# Altium PCB xialeste.PcbDoc (part 4 of 10) (continued)
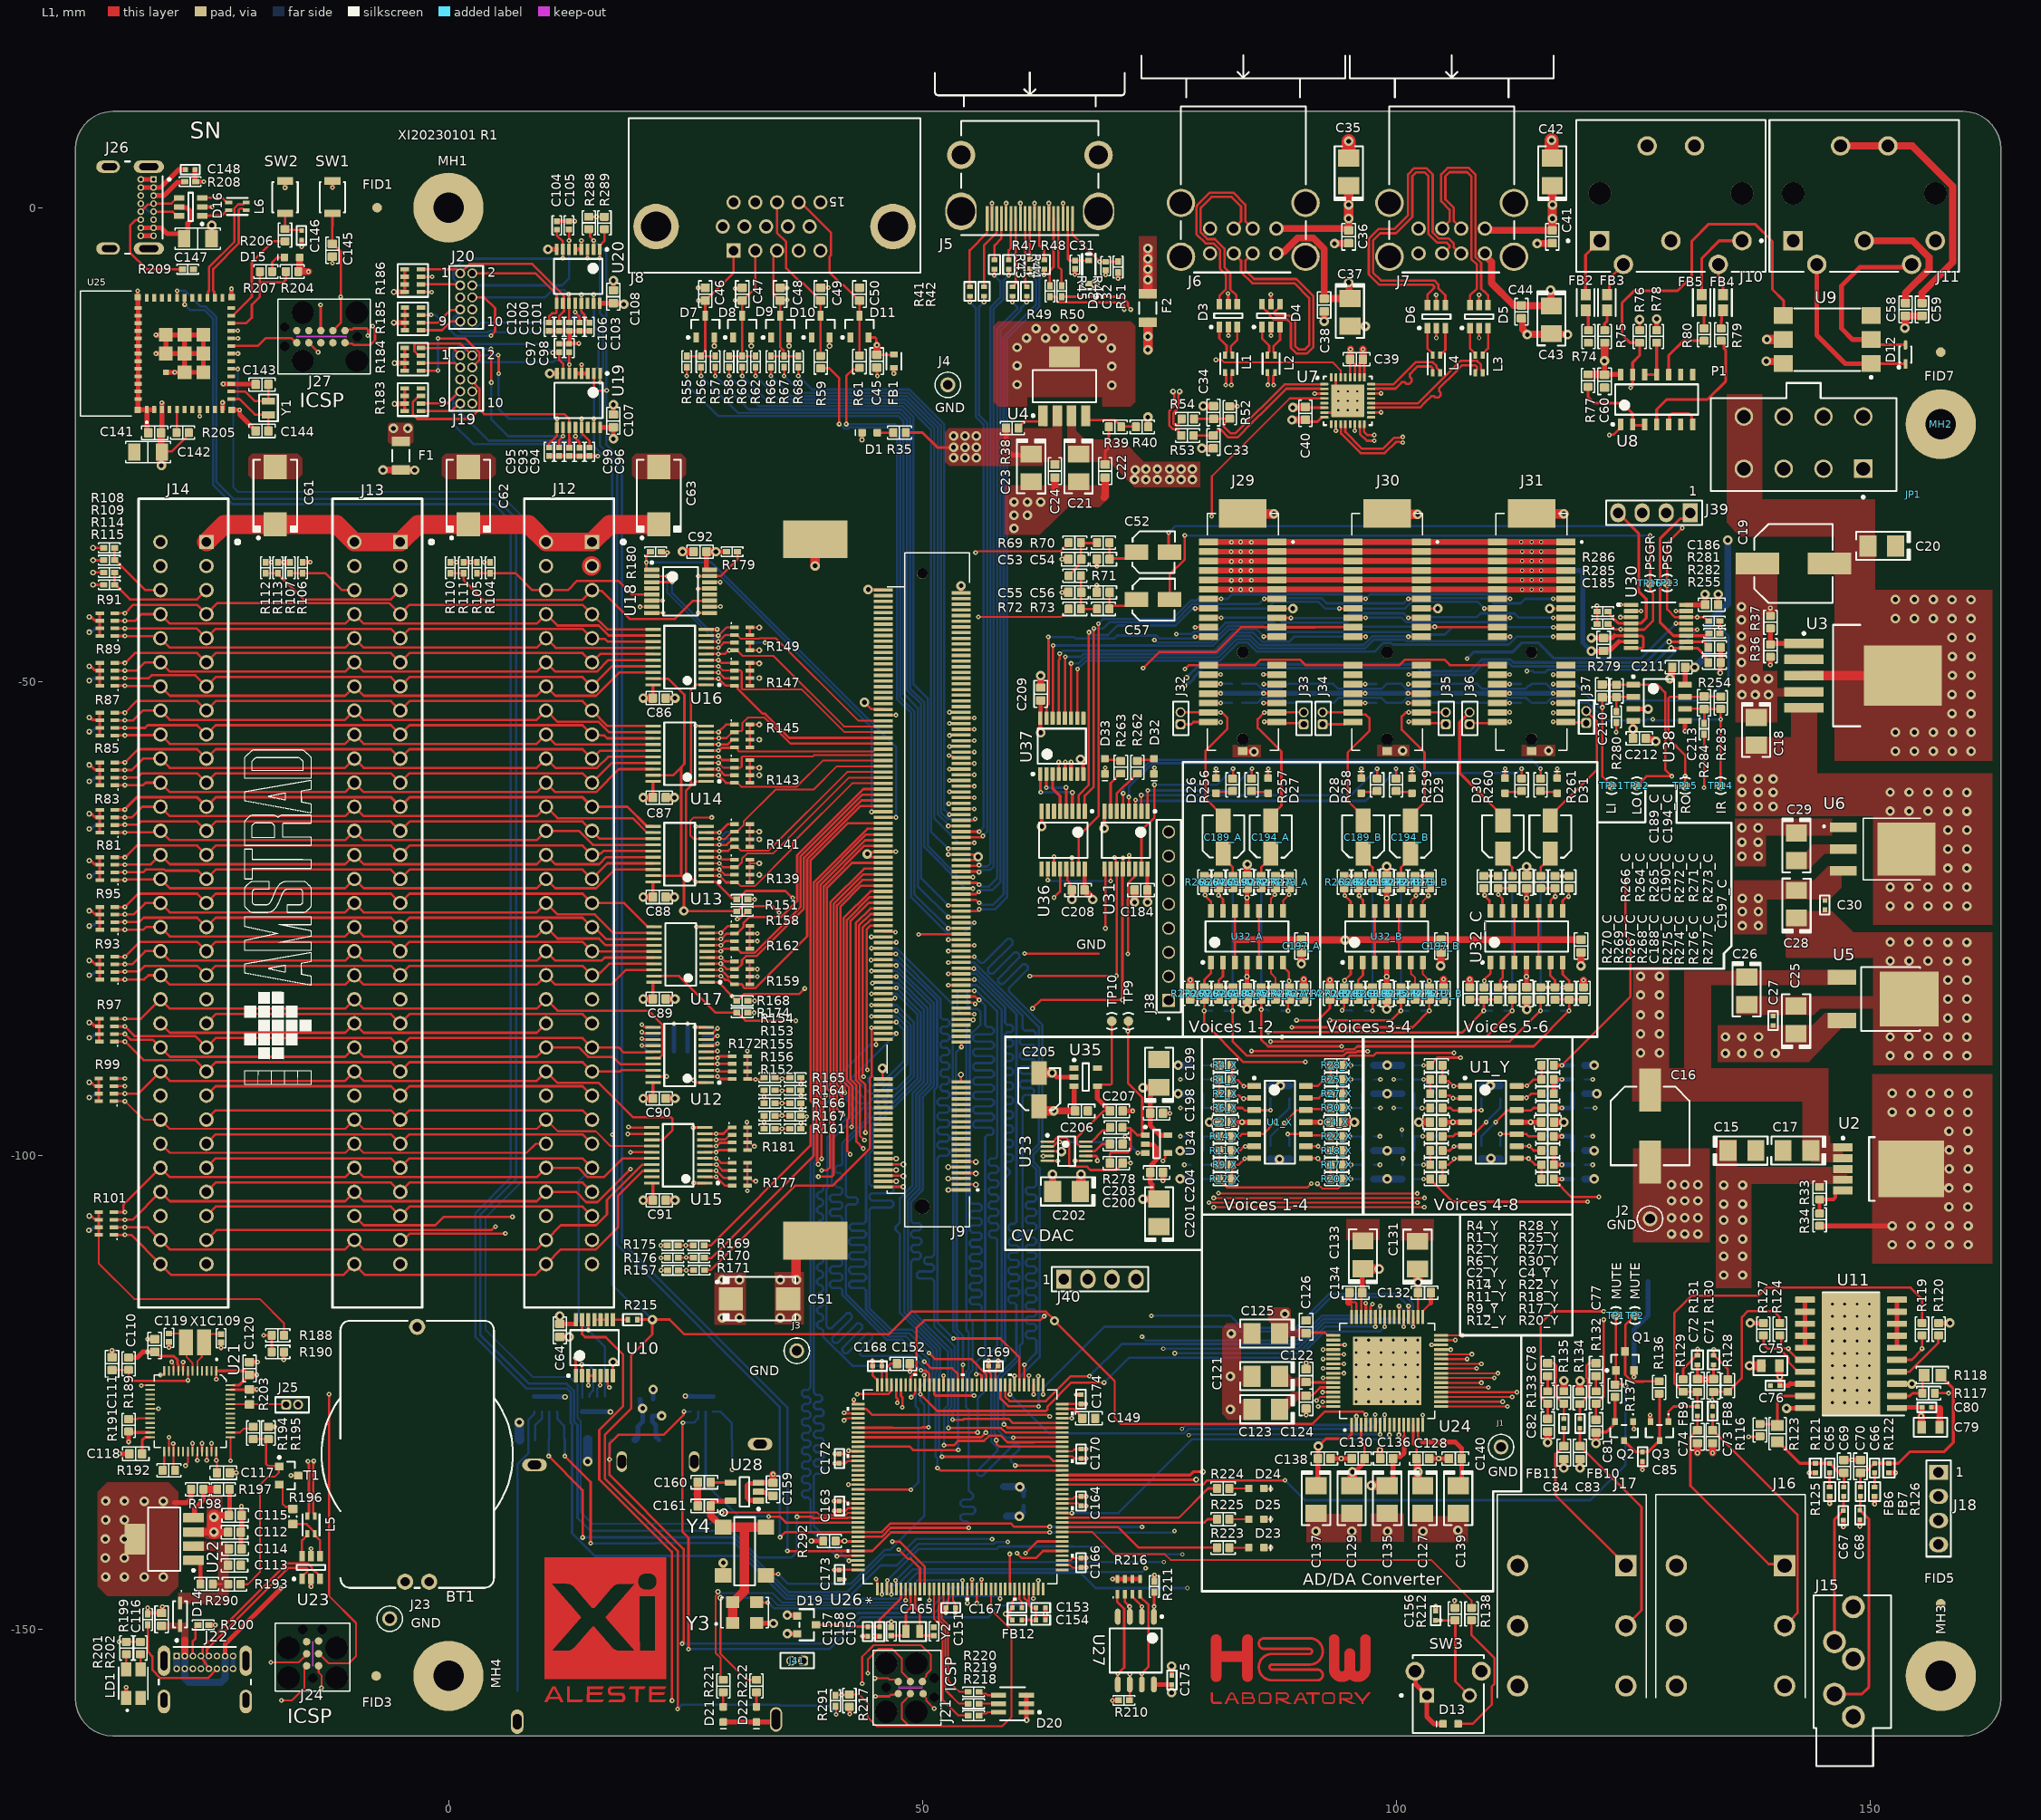
[diagram p0: L1 view]
## Nets (pads, with @x,y where several pads share a name; then routed paths per layer and width w, separated by ;. In a path a pad name is that pad's centre, name@x,y a point inside that pad or via, vN(x,y) a via of type N, cw(c..) or ccw(c..) an arc to the next point about the centre after c; other vN are vias at no path point)
12M: U7.30 U26.100 | length 144.1
  L1 w0.2: v1(80.995,-16.068) 80.991,-16.064 81.593,-16.064 81.877,-16.347 93.347,-16.347 94.15,-17.15 U7.30@94.15,-17.9
  L1 w0.25: v1(48.829,-125.533) 48.859,-125.533 49.25,-125.142 U26.100@49.25,-124.224
  L3 w0.2: v1(48.829,-125.533) 48.868,-125.533 49.192,-125.209 49.192,-121.751 49.627,-121.316 56.384,-121.316 59.45,-118.25 59.45,-39.699 74.966,-24.183 77.402,-24.183 80.995,-20.59 v1(80.995,-16.068)
+3.3V: FB13.1 | length 1.1
  L6 w0.5: FB13.1@21.6,-125.75 v2(21.6,-124.7)
+3V3: C21.1 C22.2 C39.2 C40.2 C64.1 C86.1 C87.1 C88.1 C89.1 C90.1 C91.1 C92.1 C107.2 C108.2 C133.1 C134.1 C135.1 C136.1 C141.1 C142.2 C162.1 C163.1 C164.1 C165.1 C166.1 C167.1 C168.1 C169.1 C170.1 C171.1 C172.1 C173.1 C174.1 C175.1 C184.1 C208.2 C209.1 D15.2 D19.1 FB1.2 FB12.1 J21.1 J27.1 J41.2 R39.2 R51.1 R52.2 R76.2 R81.5 R81.6 R81.7 R81.8 R83.5 R83.6 R83.7 R83.8 R85.5 R85.6 R85.7 R85.8 R87.5 R87.6 R87.7 R87.8 R89.5 R89.6 R89.7 R89.8 R91.5 R91.6 R91.7 R91.8 R93.5 R93.6 R93.7 R93.8 R95.5 R95.6 R95.7 R95.8 R97.5 R97.6 R97.7 R97.8 R99.5 R99.6 R99.7 R99.8 R101.5 R101.6 R101.7 R101.8 R103.5 R103.6 R103.7 R103.8 R104.1 R106.1 R108.1 R110.1 R112.1 R114.1 R139.5 R139.6 R139.7 R139.8 R141.5 R141.6 R141.7 R141.8 R143.5 R143.6 R143.7 R143.8 R145.5 R145.6 R145.7 R145.8 R147.5 R147.6 R147.7 R147.8 R149.5 R149.6 R149.7 R149.8 R152.2 R153.2 R154.2 R155.2 R156.2 R157.2 R158.2 R159.5 R159.6 R159.7 R159.8 R162.5 R162.6 R162.7 R162.8 R172.5 R172.6 R172.7 R172.8 R174.2 R177.5 R177.6 R177.7 R177.8 R179.2 R180.2 R181.5 R181.6 R181.7 R181.8 R188.2 R204.2 R205.1 R210.2 R211.2 R212.2 R216.5 R216.6 R216.7 R216.8 R217.2 R288.2 R289.2 U4.3 U7.3 U7.6 U7.25 U7.26 U10.14 U12.20 U13.20 U14.20 U15.20 U16.20 U17.20 U18.16 U19.16 U20.3 U20.16 U24.12 U24.46 U25.3 U26.17 U26.30 U26.39 U26.52 U26.62 U26.72 U26.84 U26.108 U26.121 U26.131 U26.144 U27.8 U31.16 U36.16 U37.6 U37.16 | length 256.8
  L1 w0.2: R101.8@-36.9,-108.4 -36.9,-111.421 -33.159,-115.161 -19.907,-115.161 -17.35,-117.719 R188.2@-17.35,-119 ; R112.1@-19.276,-37.4 v1(-18.7,-37.4) ; R110.1@0.2,-37.425 0.225,-37.4 v1(0.85,-37.4) ; v1(3.779,-37.425) R104.1@4.4,-37.425 ; U16.20@21.575,-50.375 U16.20@21.6,-50.35 ; R177.5@31.55,-103.2 R177.6@31.55,-102.4 ; R177.8@31.55,-100.8 R177.7@31.55,-101.6 R177.6@31.55,-102.4 ; R181.5@31.55,-99.45 R181.6@31.55,-98.65 ; R181.8@31.55,-97.05 R181.7@31.55,-97.85 R181.6@31.55,-98.65 ; R172.8@31.55,-89.55 R172.7@31.55,-90.35 R172.6@31.55,-91.15 R172.5@31.55,-91.95 31.575,-91.975 32.375,-91.975 v1(32.4,-92) 33.125,-92 R154.2@33.325,-91.8 ; R174.2@31.575,-84.95 v1(32.25,-84.95) ; R159.5@31.8,-81.95 R159.6@31.8,-81.15 R159.7@31.8,-80.35 ; R159.8@31.8,-79.55 R159.7@31.8,-80.35 ; R162.5@31.8,-78.2 R162.6@31.8,-77.4 R162.7@31.8,-76.6 ; R162.8@31.8,-75.8 R162.7@31.8,-76.6 ; R139.5@31.8,-71.2 R139.6@31.8,-70.4 31.8,-69.2 ; R139.8@31.8,-68.8 31.8,-69.2 ; R141.5@31.8,-67.45 R141.6@31.8,-66.65 R141.7@31.8,-65.85 ; R141.8@31.8,-65.05 R141.7@31.8,-65.85 ; v1(32.287,-99.05) 32.22,-99.05 32.12,-98.95 32.1,-98.95 31.8,-98.65 R181.6@31.55,-98.65 ; v1(32.428,-102.729) 32.398,-102.7 32.1,-102.7 31.8,-102.4 R177.6@31.55,-102.4 ; v1(32.6,-80.35) R159.7@31.8,-80.35 ; v1(32.6,-76.6) R162.7@31.8,-76.6 ; v3@32.6,-65.85 R141.7@31.8,-65.85 ; v3(32.8,-69.2) 31.8,-69.2 ; R152.2@33.325,-97.2 33.3,-97.175 33.3,-95.875 R156.2@33.325,-95.85 ; R155.2@33.325,-94.5 33.3,-94.475 33.3,-93.175 R153.2@33.325,-93.15 ; U26.17@53.25,-145.776 53.25,-147.005 53.5,-147.255 C165.1@53.5,-147.75 ; v3(58.8,-148.4) v3@58.85,-148.4 ; C167.1@59.5,-147.75 59.5,-147.098 59.75,-146.848 U26.30@59.75,-145.776 ; U26.39@64.776,-142.75 65.646,-142.75 65.896,-142.5 C166.1@66.75,-142.5 ; U26.52@64.776,-136.25 65.866,-136.25 66.089,-136.027 66.723,-136.027 C164.1@66.75,-136 ; U26.62@64.776,-131.25 65.853,-131.25 66.103,-131 C170.1@66.75,-131 ; 100.838,-129.783 U24.12@100.838,-129.066 ; v1(106.171,-146.992) 106.171,-147.72 R212.2@106.208,-147.756
  L1 w0.25: v3(-37.916,-106.4) -37.713,-106.4 -37.388,-106.725 -36.975,-106.725 R101.6@-36.9,-106.8 ; v3(-37.916,-92.3) -37.713,-92.3 -37.388,-92.625 -36.975,-92.625 R99.6@-36.9,-92.7 ; v3(-37.5,-38.5) R114.1@-36.375,-38.5 ; v3(-37.5,-35.9) R108.1@-36.375,-35.9 ; R101.8@-36.9,-108.4 R101.7@-36.9,-107.6 R101.6@-36.9,-106.8 ; R101.5@-36.9,-106 R101.6@-36.9,-106.8 ; R99.8@-36.9,-94.3 R99.7@-36.9,-93.5 R99.6@-36.9,-92.7 ; R99.5@-36.9,-91.9 R99.6@-36.9,-92.7 ; C141.1@-30.325,-23.757 C141.1@-30.24,-23.672 ; C142.2@-30.175,-25.725 -29.225,-25.725 -27.7,-24.2 -27.7,-24.05 R205.1@-27.4,-23.75 ; J27.1@-10.925,-12.981 -10.822,-12.878 -10.155,-12.878 -10.017,-12.741 -8.646,-12.741 -8.5,-12.887 v1(-8.5,-13.5) ; v1(14.673,-5.331) U20.3@14.673,-4.406 ; v1(15.606,-0.958) R288.2@14.805,-0.958 14.811,-0.963 16.167,-0.963 R289.2@16.228,-1.024 ; U19.16@16,-23.197 16.021,-23.175 17.368,-23.175 17.389,-23.197 C107.2@17.405,-23.18 ; v1(22.435,-112.134) R157.2@23.123,-112.134 ; v1(30.473,-75.063) 30.687,-75.063 31.5,-74.25 R158.2@31.575,-74.25 ; R143.5@31.8,-60.7 R143.6@31.8,-59.9 R143.7@31.8,-59.1 ; R143.8@31.8,-58.3 R143.7@31.8,-59.1 ; R145.5@31.8,-56.9 R145.6@31.8,-56.15 R145.7@31.8,-55.35 R145.8@31.8,-54.55 v3@32.65,-54.55 ; R147.5@31.8,-50.5 R147.5@31.8,-50.45 R147.6@31.8,-49.65 R147.7@31.8,-48.85 R147.8@31.8,-48.05 ; R149.6@31.8,-45.9 R149.5@31.8,-46.7 v3@32.6,-46.7 ; R149.7@31.8,-45.1 R149.8@31.8,-44.3 31.807,-44.307 32.593,-44.307 v3@32.6,-44.313 ; v3(32.8,-59.1) R143.7@31.8,-59.1 ; C173.1@41.235,-143.765 C173.1@41.25,-143.75 U26.144@43.224,-143.75 ; C163.1@41.25,-137.5 41.897,-137.5 42.147,-137.25 U26.131@43.224,-137.25 ; C172.1@41.25,-132.5 41.897,-132.5 42.147,-132.25 U26.121@43.224,-132.25 ; C168.1@44.75,-122.25 44.75,-123.184 45.235,-123.67 45.235,-124.209 U26.108@45.25,-124.224 ; v1(45.067,-157.089) 46.52,-157.089 46.695,-156.913 47.366,-156.913 J21.1@47.47,-156.81 ; C169.1@56.997,-122.248 57.04,-122.29 57.04,-122.875 57.25,-123.085 U26.84@57.25,-124.224 ; U26.72@64.776,-126.25 C174.1@66.75,-126.25 ; U27.8@74.44,-155.836 U27.8@74.465,-155.861 ; U24.46@96.31,-117.05 96.325,-117.035 96.325,-114.55 C134.1@96.425,-114.45
  L1 w0.3: v3@-37.9,-86 -37.697,-86 -37.372,-86.325 -36.925,-86.325 R97.6@-36.85,-86.4 ; v3@-37.9,-48.4 -37.736,-48.4 -37.336,-48.8 -36.85,-48.8 R89.6@-36.8,-48.85 R89.7@-36.8,-49.65 R89.8@-36.8,-50.45 ; v3@-37.848,-58.804 -37.832,-58.804 -37.336,-59.3 -36.8,-59.3 R85.5@-36.8,-58.55 ; v3@-37.84,-53.793 -37.807,-53.793 -37.55,-54.05 -36.85,-54.05 R87.6@-36.8,-54.1 ; v3@-37.829,-68.908 -37.728,-68.908 -37.336,-69.3 -36.8,-69.3 R81.5@-36.8,-68.55 ; v3@-37.819,-63.96 -37.676,-63.96 -37.336,-64.3 -36.915,-64.3 -36.858,-64.358 -36.825,-64.325 -36.8,-64.3 R83.5@-36.8,-63.55 ; v3@-37.816,-79.45 -37.686,-79.45 -37.336,-79.8 -36.85,-79.8 R93.6@-36.8,-79.85 ; v3@-37.816,-74.2 -37.686,-74.2 -37.336,-74.55 -36.85,-74.55 R95.6@-36.8,-74.6 ; v3@-37.816,-43.2 -37.686,-43.2 -37.336,-43.55 -36.85,-43.55 R91.6@-36.8,-43.6 ; R95.7@-37.05,-75.4 R95.7@-36.8,-75.4 ; R97.8@-36.85,-88 R97.7@-36.85,-87.2 R97.6@-36.85,-86.4 ; R97.5@-36.85,-85.6 R97.6@-36.85,-86.4 ; R93.8@-36.8,-81.45 R93.7@-36.8,-80.65 R93.6@-36.8,-79.85 ; R93.5@-36.8,-79.05 R93.6@-36.8,-79.85 ; R95.8@-36.8,-76.2 R95.7@-36.8,-75.4 ; R95.5@-36.8,-73.8 R95.6@-36.8,-74.6 ; R81.8@-36.8,-70.95 R81.7@-36.8,-70.15 R81.6@-36.8,-69.35 ; R83.8@-36.8,-65.95 R83.7@-36.8,-65.15 R83.6@-36.8,-64.35 ; R85.8@-36.8,-60.95 R85.7@-36.8,-60.15 R85.6@-36.8,-59.35 ; R87.8@-36.8,-55.7 R87.7@-36.8,-54.9 R87.6@-36.8,-54.1 ; R87.5@-36.8,-53.3 R87.6@-36.8,-54.1 ; R89.6@-36.8,-48.85 R89.5@-36.8,-48.05 ; R91.8@-36.8,-45.2 R91.7@-36.8,-44.4 R91.6@-36.8,-43.6 ; R91.5@-36.8,-42.8 R91.6@-36.8,-43.6 ; U15.20@21.45,-102.925 21.575,-102.925 C91.1@21.575,-104.75 ; C90.1@21.575,-94 21.575,-92.331 U12.20@21.6,-92.331 ; C89.1@21.575,-83.5 21.575,-81.738 U17.20@21.7,-81.738 ; C88.1@21.575,-72.75 21.575,-71.144 U13.20@21.6,-71.144 ; C87.1@21.575,-62.25 21.575,-60.55 U14.20@21.6,-60.55 ; C86.1@21.575,-51.75 21.575,-50.375 U16.20@21.575,-50.35 ; R147.8@31.8,-48.05 31.825,-48.075 32.625,-48.075 v3@32.65,-48.1 ; C22.2@69.314,-27.286 69.314,-25.69 69.7,-25.304 R39.2@69.7,-23.136 ; v2@89.142,-21.058 89.15,-21.067 90.537,-21.067 90.561,-21.091 90.595,-21.125 U7.6@92.425,-21.125 ; v1(91.41,-19.627) 91.412,-19.625 U7.3@92.425,-19.625 ; U7.26@96.15,-17.9 96.15,-16.4 96.4,-16.15 C39.2@96.4,-16 ; U7.25@96.65,-17.9 C39.2@96.65,-16.054 ; R76.2@125.7,-12.95 v2(125.7,-11.8) ; R95.7@-36.8,-75.4 R95.6@-36.8,-74.6
  L1 w0.4: v3@58.85,-148.4 59.177,-148.727 FB12.1@59.5,-149.05 ; v3@58.85,-148.4 C167.1@59.5,-147.75 ; v2(62.5,-55.4) 62.452,-55.352 U37.16@62.452,-53.872 62.477,-53.847 62.477,-53.195 62.5,-53.172 C209.1@62.5,-51.997 ; v1(65.7,-58.5) 65.701,-58.501 U37.6@65.702,-59.772 U37.6@65.702,-59.772 ; C208.2@67.135,-71.765 U36.16@67.135,-69.812 ; C184.1@73.763,-71.963 U31.16@73.763,-69.813 ; R52.2@82.438,-20.972 v1(83.238,-20.972)
  L1 w0.5: C141.1@-30.24,-23.672 U25.3@-30.24,-21.301 v1(-30.24,-20.576) ; R106.1@-15.375,-37.4 v1(-14.6,-37.4) ; C64.1@11.75,-117.8 U10.14@13.425,-117.8 ; U20.16@15.973,-10.106 15.989,-10.09 17.317,-10.09 C108.2@17.362,-10.045 ; U19.16@16.05,-23.186 17.389,-23.186 C107.2@17.4,-23.175 ; v2(17.4,-24.4) 17.4,-23.186 C107.2@17.405,-23.18 ; C108.2@17.4,-10.075 17.463,-10.138 18.438,-10.138 v2(18.5,-10.2) ; R180.2@22.452,-36.4 v1(23.102,-36.4) ; C92.1@27.225,-36.309 27.236,-36.321 27.225,-36.332 27.225,-38.2 27.25,-38.225 U18.16@27.55,-38.225 ; v2@28.217,-36.332 28.24,-36.309 29.31,-36.309 R179.2@29.34,-36.34 ; v2(35.75,-148.531) 36.737,-148.531 D19.1@36.799,-148.593 ; v1(40.713,-143.753) C173.1@41.223,-143.753 ; v1(40.718,-137.512) 40.729,-137.5 C163.1@41.25,-137.5 ; v1(40.77,-132.5) C172.1@41.25,-132.5 ; R217.2@42.314,-158.193 42.34,-158.219 v1(42.34,-158.968) ; v1(44.747,-121.707) 44.75,-121.711 C168.1@44.75,-122.25 ; v1(47,-17.5) FB1.2@47,-16.9 ; v1(53.49,-148.27) 53.5,-148.26 C165.1@53.5,-147.75 ; C169.1@56.997,-122.248 56.997,-121.703 v1(57,-121.7) ; C166.1@66.75,-142.5 66.9,-142.5 v1(67.3,-142.5) ; C170.1@66.75,-131 v1(67.3,-131) ; C174.1@66.75,-126.25 v1(67.25,-126.25) ; C164.1@66.777,-136 v1(67.3,-136) ; v1(70.06,-157.511) R210.2@70.71,-157.511 ; v1(70.085,-144.711) R216.8@70.585,-144.711 R216.7@71.385,-144.711 R216.6@72.185,-144.711 R216.5@72.985,-144.711 ; v1(70.661,-7.486) R51.1@70.661,-6.836 ; U27.8@74.465,-155.861 C175.1@76.335,-155.861 76.335,-156.665 v2(76.3,-156.7) ; R211.2@74.487,-144.946 74.5,-144.933 v1(74.5,-144.3) ; C134.1@96.425,-114.45 96.425,-112.035 C133.1@96.449,-112.011 ; C135.1@99.065,-134.876 99.675,-134.266 C136.1@99.675,-132 99.696,-132 99.875,-131.821 100.44,-131.821 100.838,-131.423 100.838,-129.783
  L1 w0.75: C141.1@-30.325,-23.757 -30.325,-25.725 C142.2@-30.25,-25.8 ; R204.2@-15.85,-6.748 -15.848,-6.75 R204.2@-15.7,-6.75 ; D15.2@-15.7,-5.248 R204.2@-15.7,-6.75 ; v1(-14.775,-6.75) R204.2@-15.7,-6.75 ; C64.1@11.75,-117.8 v2(11.75,-116.963) ; v2@20.5,-94 C90.1@21.575,-94 ; v2(20.55,-104.75) C91.1@21.575,-104.75 ; v2(20.55,-83.5) C89.1@21.575,-83.5 ; v2(20.55,-72.75) C88.1@21.575,-72.75 ; v2@20.55,-62.198 20.602,-62.25 C87.1@21.575,-62.25 ; v2(20.55,-51.75) C86.1@21.575,-51.75 ; C92.1@27.236,-36.321 27.248,-36.309 28.194,-36.309 v2@28.217,-36.332 ; C208.2@67.122,-72 67.197,-72.075 67.197,-72.125 67.952,-72.88 67.952,-72.968 v2(68,-73.016) ; C184.1@73.75,-72 73.758,-72.008 73.758,-73.292 v2(73.766,-73.3) ; v2(89.1,-21.1) v2@89.142,-21.058 ; v2@89.142,-21.058 89.151,-21.067 90.397,-21.067 C40.2@90.431,-21.033 ; v1(96.49,-14.941) 96.5,-14.95 C39.2@96.5,-16
  L1 w1: v2(-30.3,-27.2) -30.3,-25.85 C142.2@-30.25,-25.8 ; C133.1@96.5,-111.96 96.54,-112 v2(98.2,-112) ; v2(97.365,-134.833) 99.021,-134.833 C135.1@99.065,-134.876
  L6 w0.3: v3@-37.9,-79.366 v3@-37.816,-79.45 ; v3@-37.816,-74.2 v3@-37.8,-74.184
  L6 w0.45: v2@60.649,-135.349 60.7,-135.4 C171.1@60.7,-136
  L6 w0.5: R103.8@14.1,-127.05 R103.5@16.5,-127.05 16.509,-127.059 17.088,-127.059 v3(17.097,-127.068)
  L6 w0.75: C162.1@58.6,-134.95 58.625,-134.975 v2@60.275,-134.975 ; v2(60.3,-135) v2@60.649,-135.349
  other v1: 33.3,-96.5 33.3,-93.8
  other v2: 20.55,-94 20.55,-62.25 28.217,-36.309 72.4,-28.7 73.6,-28.7 74.8,-28.7 76.1,-28.7 77.3,-28.7 78.5,-28.7 72.469,-27.669 73.6,-27.6 74.8,-27.6 76.1,-27.6 77.3,-27.6 78.5,-27.6
  other v3: -37.916,-86 -37.916,-79.45 -37.916,-74.2 -37.916,-68.908 32.8,-65.85 -37.916,-63.96 -37.916,-58.804 32.8,-54.55 -37.916,-53.793 -37.916,-48.4 32.8,-48.1 32.8,-46.7 32.8,-44.313 -37.916,-43.2
+3V3_OSC: C161.2 U28.5 Y3.1 Y3.4 Y4.1 Y4.4 | length 20.5
  L1 w0.5: C161.2@27.675,-137 27.875,-136.8 27.875,-136.525 29.7,-136.525 U28.5@29.775,-136.45
  L1 w0.75: C161.2@27.675,-137 27.675,-138.025 28.9,-139.25 Y4.1@29,-139.25
  L1 w1: Y4.1@29,-139.25 31.25,-139.25 ; Y3.1@29.98,-149.35 Y3.4@29.98,-147.15 30.08,-147.05 30.18,-147.05 31.25,-145.98 31.25,-139.25 ; Y4.4@33.5,-139.25 31.25,-139.25
+3V3_SD: C155.1 FB13.2 J28.4 R213.5 R213.6 R213.7 R213.8 R214.5 R214.6 R214.7 R214.8 | length 24.7
  L4 (PWR) w0.5: v3(12.3,-125.5) 18.2,-125.5 19.4,-126.7 21.3,-126.7 22.6,-125.4 v3(25,-125.4)
  L6 w0.5: R214.5@9.05,-125.455 9.85,-125.455 10.65,-125.455 11.445,-125.455 R214.8@11.45,-125.45 11.481,-125.481 12.281,-125.481 v3(12.3,-125.5) ; J28.4@19.781,-129.934 19.995,-129.72 19.995,-128.605 20.5,-128.1 v2(20.5,-126.7) 20.5,-126.565 20.25,-126.315 20.25,-125.8 FB13.2@20.2,-125.75 ; v3(25,-125.4) 25.019,-125.419 25.519,-125.419 R213.5@25.55,-125.45 R213.6@26.35,-125.45 R213.7@27.15,-125.45 R213.8@27.95,-125.45
  L6 w0.75: J28.4@19.695,-130.02 J28.4@19.781,-129.934
+3V3_STLINK: C112.2 C115.1 C117.2 C118.2 C119.2 C120.2 J24.1 J25.2 LD1.4 R189.1 R197.2 T1.3 U21.1 U21.9 U21.24 U21.36 U21.48 U22.3 | length 68.7
  L1 w0.2: C117.2@-24.5,-133.425 C117.2@-24.425,-133.5 -24.425,-133.425 -24.425,-132.393 -24.452,-132.365 -24.452,-132.248 v1(-24.5,-132.2) U21.36@-24.5,-131.25 ; v1(-24.5,-123.64) -24.5,-123.15 U21.1@-24.5,-122.75 ; U21.48@-23,-124.25 U21.48@-22.717,-124.25 ; J24.1@-13.7,-153.87 -13.7,-154.576 -13.4,-154.876 v1(-13.4,-156.2)
  L1 w0.25: v1(-16.618,-133.782) T1.3@-15.851,-133.782
  L1 w0.3: C118.2@-32.325,-131.5 -32.325,-130.075 -32,-129.75 U21.24@-31.5,-129.75 ; -32.254,-120.754 -32.25,-120.754 -32.25,-120.75 ; C119.2@-31,-120.75 -30.95,-120.75 -30.5,-121.2 -28.993,-121.2 -28.577,-121.616 -28.577,-122.042 -28.5,-122.119 U21.9@-28.5,-122.75 ; U21.1@-24.5,-122.75 -21.475,-122.75 C120.2@-21.05,-123.175 ; U21.48@-22.717,-124.25 -22.075,-124.25 -21.35,-123.525 -21.35,-123.475 C120.2@-21.05,-123.175 ; C120.2@-21,-123.175 C120.2@-21.05,-123.175
  L1 w0.5: R189.1@-33.75,-121.35 -32.85,-121.35 -32.254,-120.754 ; -32.25,-120.75 v1(-31.75,-120.75) C119.2@-31,-120.75 ; C115.1@-23.175,-138 -23.1,-137.925 R197.2@-23.1,-135.25 ; C120.2@-21,-123.175 v1(-20.219,-123.175)
  L1 w0.75: U22.3@-26.9,-139.75 v2(-24.75,-139.75) ; v2(-24.751,-138.172) -24.684,-138.172 -24.512,-138 C115.1@-23.175,-138 ; v2@-24.738,-139.762 -23.262,-139.762 C112.2@-23.25,-139.775
  L1 w1.5: v2@-24.751,-139.749 v2(-24.751,-138.172)
  L4 (PWR) w0.5: v2@-24.738,-139.762 v2(-24.75,-139.75) -23.111,-138.111 -12.181,-138.111 -11.889,-138.404 -11.889,-149.435 -9.908,-151.416 -9.908,-155.989 -10.919,-157 -12.6,-157 v1(-13.4,-156.2)
+3V3_VGA: C45.2 D7.2 D8.2 D9.2 D10.2 D11.2 FB1.1 | length 25
  L1 w0.25: v3@28.05,-14.55 D7.2@28.05,-13.7 ; v3@31.95,-14.55 D8.2@31.95,-13.7 ; v3@35.95,-14.55 D9.2@35.95,-13.7 ; v3@40.225,-14.55 D10.2@40.225,-13.7 ; D11.2@44.325,-13.7 45,-13.7 45.146,-13.846 45.146,-14.446 v3(45.2,-14.5) ; C45.2@45.2,-15.525 46.806,-15.525 46.831,-15.5 FB1.1@47,-15.5
  L1 w0.75: C45.2@45.2,-15.525 v3(45.2,-14.5)
  L4 (PWR) w0.75: v3@28.059,-14.592 v3(31.95,-14.592) v3(35.95,-14.592) v3(40.225,-14.592) 40.317,-14.5 v3(45.2,-14.5)
  other v3: 28.05,-14.592
+5V: C23.1 C24.2 C51.1 C60.2 C61.1 C62.1 C63.1 C159.2 D2.2 F1.1 F2.1 J9.2 J9.4 J9.6 J9.8 J9.10 J9.12 J12.1 J12.2 J12.39 J13.1 J13.2 J13.39 J14.1 J14.2 J14.39 P1.2 P1.6 R35.2 R38.2 R74.1 R75.1 R77.2 R78.2 U4.2 U8.14 U9.6 U28.1 U28.3 | length 171.4
  L1 w0.25: J9.2@45.9,-103.35 45.924,-103.326 v3@47.731,-103.326 ; J9.6@45.9,-102.15 45.912,-102.162 47.754,-102.162 47.766,-102.174 47.974,-102.174 v3(48,-102.2) ; J9.10@45.9,-100.95 45.912,-100.938 v3@47.765,-100.938 ; J9.12@45.9,-100.35 v3(47.25,-100.35) ; v3@47.755,-103.301 v3@47.731,-103.326 ; v3@47.777,-100.927 v3@47.765,-100.938 ; v3(47.989,-103.328) 47.987,-103.326 v3@47.731,-103.326 ; v3(48.011,-100.953) 47.996,-100.938 v3@47.765,-100.938
  L1 w0.3: J9.4@45.9,-102.75 47.2,-102.75 v3@47.234,-102.716 ; J9.8@45.9,-101.55 v3(47.25,-101.55) 47.307,-101.55 v3@47.318,-101.539 ; R35.2@48.25,-23.75 50.039,-23.75 51.589,-25.3 53.21,-25.3 v2@53.233,-25.277
  L1 w0.4: D2.2@67.561,-8.024 v2(68.229,-8.024)
  L1 w0.5: U28.1@32.725,-136.45 32.705,-136.43 31.793,-136.43 31.5,-136.137 31.5,-134.843 31.718,-134.625 32.65,-134.625 U28.3@32.725,-134.55 32.738,-134.562 34.238,-134.562 C159.2@34.25,-134.575 ; R38.2@58.85,-23.25 58.85,-25.45 59.5,-26.1 C23.1@61.6,-26.1 ; 121.5,-17.6 C60.2@122,-17.6 ; C60.2@122,-17.65 C60.2@122,-17.6 ; v2@122,-16.25 C60.2@122,-17.6 ; U8.14@123.69,-17.625 123.69,-17.575 U8.14@123.665,-17.6 ; R78.2@127.5,-12.95 v2(127.5,-11.75) ; U9.6@140.226,-15.826 U9.6@140.865,-16.465 ; C60.2@122,-17.6 U8.14@123.665,-17.6 ; C60.2@122,-17.6 U8.14@123.665,-17.6
  L1 w0.75: v2(-6.9,-27.7) -6.887,-27.687 -5.04,-27.687 -5.036,-27.684 -5.03,-27.69 -3.568,-27.69 v2(-3.554,-27.704) ; C159.2@34.25,-134.575 v1(34.25,-133.653) ; v2(139.069,-16.198) 139.117,-16.246 140.646,-16.246 U9.6@140.865,-16.465
  L1 w0.8: R77.2@120.25,-17.6 121.5,-17.6 ; v2@122,-16.25 122,-14.25 R75.1@122.008,-14.25
  L1 w1: v2(73.8,-15) v2(73.8,-13.6) F2.1@73.8,-12.1
  L1 w2: J14.1@-25.538,-35.28 -23.683,-33.425 C61.1@-18.28,-33.425 -11.786,-33.425 J13.2@-9.931,-35.28 J13.1@-5.08,-35.28 -3.225,-33.425 C62.1@2.1,-33.425 8.444,-33.425 J12.2@10.299,-35.28 J12.1@15.15,-35.28 17.005,-33.425 C63.1@22.2,-33.425
  L4 (PWR) w1.5: v2(30.712,-117.137) 30.712,-121.012 36,-126.3 36,-132.1 v1@34.3,-133.8 ; v2(68.229,-8.024) 68.229,-9.452 70.781,-12.004 72.204,-12.004 v2(73.8,-13.6) 73.8,-19.2 72,-21 72,-24.8 ; v2(127.5,-11.75) 127.5,-16.07 127.628,-16.198
  L4 (PWR) w2: v2@122.011,-16.198 127.628,-16.198 v2(139.069,-16.198) 143.05,-16.198 145.187,-18.334 P1.6@145.187,-22.032
  other v2: 28.912,-117.137 28.912,-113.137 30.712,-113.137 53.3,-26.4 54.5,-26.4 55.7,-26.4 53.3,-25.3 54.5,-25.3 55.7,-25.3 53.3,-24.1 54.5,-24.1 55.7,-24.1 121.985,-16.172
  other v3: 47.25,-102.75
+5V_HDMI_CON: C31.2 D2.1 J5.18 | length 6.5
  L1 w0.25: J5.18@65.35,-1.16 65.35,-5.418 65.518,-5.586 C31.2@66.111,-5.586 D2.1@67.561,-5.586
+5V_JOYSTICKS: F1.2 J19.5 J20.5 R183.5 R183.6 R183.7 R183.8 R184.5 R184.6 R184.7 R184.8 R185.5 R185.6 R185.7 R185.8 R186.5 R186.6 R186.7 R186.8 | length 13.4
  L1 w0.25: R183.8@-4.635,-21.494 R183.8@-4.611,-21.47 ; R184.7@-4.611,-16.411 R184.7@-4.6,-16.4
  L1 w0.3: R183.8@-4.611,-21.335 R183.7@-4.611,-20.67 R183.6@-4.611,-19.87 R183.5@-4.611,-19.07 ; R184.8@-4.611,-17.206 R184.7@-4.611,-16.411 ; R184.7@-4.611,-16.406 R184.6@-4.611,-15.606 R184.5@-4.611,-14.806 ; R186.8@-4.611,-8.9 R186.7@-4.611,-8.1 R186.6@-4.611,-7.3 R186.5@-4.611,-6.5 ; R185.8@-4.592,-12.937 R185.7@-4.592,-12.137 R185.6@-4.592,-11.337 R185.5@-4.592,-10.537
  L1 w0.5: v3(-5.7,-20.7) R183.7@-4.611,-20.7 ; v3(-5.7,-16.4) -5.697,-16.403 R184.7@-4.811,-16.403 ; v3@-5.6,-8.9 R186.8@-4.611,-8.9 ; v3@-5.463,-12.137 R185.7@-4.592,-12.137
  other v2: -5.8,-23.3 -4.3,-23.3
  other v3: -5.757,-12.137 -5.757,-8.9
+5V_STLINK: C113.2 C114.2 D14.2 R193.2 R290.2 U22.2 | length 0.9
  L1 w0.3: R290.2@-24.875,-145.25 -23.949,-145.25
+5V_USB_HUB: C35.1 C36.2 C37.1 C38.2 C41.2 C42.1 C43.1 C44.2 D3.5 D4.5 D5.5 D6.5 F2.2 J6.1 J6.5 J7.1 J7.5 | length 62.4
  L1 w0.3: v1(82.258,-9.062) 82.279,-9.083 82.279,-10.179 D3.5@82.3,-10.2 ; v1(86.782,-9.147) 86.791,-9.155 86.791,-10.191 D4.5@86.8,-10.2 ; v1(104.226,-9.196) 104.25,-9.22 D6.5@104.25,-10.3 ; D5.5@108.75,-10.3 108.75,-9.206 v1(108.76,-9.196)
  L1 w0.75: J6.5@87.37,-4.83 87.518,-4.682 88.145,-4.682 89.622,-3.205 91.258,-3.205 92.415,-4.362 92.415,-5.998 92.41,-6.003 C38.2@92.41,-9.603 92.417,-9.597 95.13,-9.597 C37.1@95.136,-9.59 95.048,-9.502 95.048,-7.948 v2(95,-7.9) ; J6.1@87.434,-2.086 87.37,-2.15 J6.1@87.37,-2.21 94.755,-2.21 94.978,-2.433 C36.2@94.978,-2.457 ; C35.1@94.991,2.308 C35.1@94.995,2.303 ; C36.2@94.995,-2.4 94.993,-2.398 94.993,-1.152 v2@94.998,-1.147 ; v2@94.995,0.305 v2(95,0.3) v2@94.998,0.298 ; J7.5@109.37,-4.83 109.37,-5.039 110.071,-5.741 110.071,-7.969 112.396,-10.294 113.352,-10.294 113.232,-10.34 113.237,-10.345 116.362,-10.345 C43.1@116.393,-10.376 116.347,-10.329 116.347,-8.747 v2(116.3,-8.7) ; J7.1@109.37,-2.21 109.518,-2.358 110.065,-2.358 110.107,-2.4 C41.2@116.6,-2.4
  L1 w1: F2.2@73.8,-9.1 v2(73.8,-7.6) v2(73.8,-4.3) ; v2@94.995,0.305 C35.1@94.995,2.303 ; v2@94.998,-1.147 v2@94.998,0.298 ; C42.1@116.48,2.308 116.48,-2.28 C41.2@116.5,-2.3
  other v2: 73.8,-6.5 73.8,-5.4 94.995,-1.152 116.495,-1.152 116.5,0.3
+5VA: C25.1 C27.1 C75.1 C76.1 C125.1 C126.1 C127.1 C128.1 C129.1 C130.1 C131.1 C132.1 C186.1 C202.1 C203.2 J29.A2 J29.B2 J30.A2 J30.B2 J31.A2 J31.B2 Q1.2 U5.3 U11.3 U11.18 U24.3 U24.14 U24.34 U24.49 U30.16 U33.8 | length 118.4
  L1 w0.25: U33.8@67.252,-99.572 68.227,-99.572 68.977,-98.823 C203.2@69.802,-98.823 ; C126.1@90.5,-118.775 90.561,-118.714 92.474,-118.714 92.731,-118.971 93.36,-118.971 U24.49@93.36,-119 ; U24.3@96.31,-128.45 96.31,-130.222 96.675,-130.587 C130.1@96.675,-132 ; U24.14@101.81,-128.45 101.81,-130.45 102.15,-130.79 C128.1@102.15,-132 ; C131.1@102.25,-112 C131.1@102.256,-112.006 ; U24.34@102.31,-117.05 102.31,-114.515 C132.1@102.325,-114.5
  L1 w0.5: v2@95.315,-133.726 96.475,-132.566 96.475,-132.2 C130.1@96.675,-132 ; C132.1@102.325,-114.5 v2@102.325,-113.356 ; v1(125.1,-123.4) Q1.2@125.1,-122.7 ; U30.16@130.6,-41.925 C186.1@132.6,-41.925 ; v2(132.6,-40.8) 132.612,-40.812 132.612,-41.888 C186.1@132.625,-41.9 ; v3@140.596,-123.496 v3(140.5,-123.4) C76.1@140.5,-124.3 141.4,-124.3 141.6,-124.1 141.625,-124.125 U11.18@143.15,-124.125 ; U11.3@152.85,-124.125 154.424,-124.125 v2(154.427,-124.122)
  L1 w0.6: J29.B2@80.22,-36.28 80.24,-36.3 87.4,-36.3 J29.A2@87.42,-36.28 J30.B2@95.46,-36.28 J30.A2@102.66,-36.28 J31.B2@110.7,-36.28 ; J31.B2@110.72,-36.3 v4(113.3,-36.3) J31.A2@117.88,-36.3
  L1 w0.75: C128.1@102.15,-132 102.225,-132.075 102.225,-134.351 102.75,-134.876 C127.1@102.815,-134.876 102.348,-134.409 102.348,-133.448 v6(102.3,-133.4) ; C75.1@140.45,-122.2 140.475,-122.225 v3@140.475,-123.375
  L1 w1: C202.1@66.687,-103.822 66.75,-103.759 v2(66.75,-102) ; C129.1@95.315,-134.876 95.4,-134.791 v2(95.4,-133.4) ; C131.1@102.256,-112.006 102.3,-112.05 v2(102.3,-113.4)
  L4 (PWR) w0.5: v2@154.4,-124.149 v2(154.427,-124.122)
  L6 w0.5: v1(83.6,-36.3) v4(114.3,-36.3) ; v1(125.1,-123.4) 125.1,-118.4 126.6,-116.9 126.6,-113.3
  other v1: 82.6,-36.3 84.7,-36.3
  other v2: 134.75,-89.25 136.5,-89.25 138.25,-89.25 140,-89.25 134.75,-87.5 136.5,-87.5 138.25,-87.5
  other v4: 115.3,-36.3
  other v6: 88.25,-116.75
+11VA: C2_X.1 C2_Y.1 C15.1 C188_A.1 C188_B.1 C188_C.1 C198.2 C199.1 C205.1 C206.2 C211.1 J29.A1 J29.B1 J30.A1 J30.B1 J31.A1 J31.B1 R33.2 U1_X.4 U1_Y.4 U2.4 U32_A.4 U32_B.4 U32_C.4 U34.5 U35.3 U38.8 | length 115.1
  L1 w0.5: C206.2@66.025,-95.322 U35.3@66.025,-92.7 ; C199.1@74.977,-92.822 74.977,-92.861 74.052,-93.786 C198.2@74.052,-95.572 74.052,-96.839 75.101,-97.888 75.911,-97.888 U34.5@75.927,-97.872 ; C2_X.1@82.675,-96.5 v3(83.75,-96.5) U1_X.4@85.025,-96.5 ; C188_A.1@84.267,-82.247 v3(84.267,-81.133) U32_A.4@84.267,-79.647 ; C188_B.1@99.017,-82.247 v3(99.017,-81.143) U32_B.4@99.017,-79.647 ; C2_Y.1@104.925,-96.5 v3(106,-96.5) U1_Y.4@107.275,-96.5 ; C188_C.1@113.767,-82.247 v3(113.767,-81.133) U32_C.4@113.767,-79.647 ; U38.8@130.475,-50.345 130.5,-50.25 C211.1@130.5,-48.5 v2(131.509,-48.5)
  L1 w0.6: J29.B1@80.22,-35.28 v1(83.6,-35.28) J29.A1@87.42,-35.28 J30.B1@95.46,-35.28 J30.A1@102.66,-35.28 J31.B1@110.7,-35.28 J31.A1@117.9,-35.28
  L1 w0.75: C205.1@62.761,-95.322 66.025,-95.322 C206.2@66.127,-95.322 ; v2(73.277,-92.855) 73.294,-92.839 74.96,-92.839 C199.1@74.977,-92.822
  L1 w1: C205.1@62.336,-94.834 62.636,-95.134 62.636,-95.3 v2(63.9,-95.3)
  L6 w0.6: v1(83.6,-35.28) v4(114.3,-35.28)
  L6 w0.75: v2(131.509,-48.5) 132.1,-47.909 ; 131.9,-48.1 132.9,-47.1 132.9,-43.9 135,-41.8 v2(135,-35.1)
  other v1: 82.625,-35.312 84.725,-35.292
  other v2: 134.563,-112.64 136.563,-112.64 134.563,-110.64 136.563,-110.64 134.563,-108.84 136.563,-108.84 134.563,-106.84 136.563,-106.84 134.563,-105.14 136.563,-105.14 134.563,-103.14 136.563,-103.14
  other v4: 113.211,-35.292 115.3,-35.28
+12V: C16.1 C17.1 C26.1 P1.1 P1.5 U2.1 U2.2 U5.1
  other v2: 125.8,-89.2 127.8,-89.2 125.8,-87.2 127.8,-87.2 125.8,-85.2 127.8,-85.2 125.8,-83.1 127.8,-83.1 125.8,-81.1 127.8,-81.1
-5VA: C28.2 C30.1 C79.2 C80.2 C185.1 J29.A4 J29.B4 J30.A4 J30.B4 J31.A4 J31.B4 U6.3 U11.1 U11.20 U30.7 | length 94.8
  L1 w0.3: 123.5,-45.8 U30.7@124.9,-45.8
  L1 w0.5: v2@120.7,-46.7 120.789,-46.789 C185.1@121.886,-46.789 ; C185.1@121.9,-46.775 122.06,-46.615 122.685,-46.615 123.5,-45.8 ; v2(141.2,-126.7) 141.218,-126.682 143.132,-126.682 U11.20@143.15,-126.665 ; U11.1@152.85,-126.665 152.915,-126.6 C80.2@155.5,-126.6 155.5,-127.373 155.4,-127.473 v3(155.4,-127.5)
  L1 w0.6: J29.B4@80.22,-38.28 80.24,-38.3 87.4,-38.3 J29.A4@87.42,-38.28 J30.B4@95.46,-38.28 J30.A4@102.66,-38.28 J31.B4@110.7,-38.28 114.28,-38.28 v4(114.3,-38.3) ; v4@114.32,-38.28 J31.A4@117.9,-38.28 J31.A4@118.55,-38.28
  L1 w0.75: v3(155.4,-127.5) 155.425,-127.525 155.425,-128.675 C79.2@155.45,-128.7
  L3 w0.5: v2@141.2,-126.835 v2(141.2,-126.7)
  L6 w0.5: v1(83.6,-38.3) v1(84.7,-38.3) v4(114.3,-38.3) 115.305,-38.3 119.407,-38.3 119.7,-38.593 119.7,-45.9 120.5,-46.7 120.5,-46.8 v2(120.6,-46.8)
  other v1: 82.6,-38.3
  other v2: 136.528,-75.785 138.228,-75.785 136.528,-74.285 138.228,-74.285 136.528,-72.885 138.228,-72.885
  other v4: 113.305,-38.296 115.305,-38.296
-11VA: C4_X.1 C4_Y.1 C18.2 C29.2 C190_A.1 C190_B.1 C190_C.1 C201.2 C204.2 C212.1 J29.A5 J29.B5 J30.A5 J30.B5 J31.A5 J31.B5 R36.2 U1_X.11 U1_Y.11 U3.5 U6.2 U6.4 U32_A.11 U32_B.11 U32_C.11 U34.2 U38.4 | length 125.9
  L1 w0.5: U34.2@73.527,-98.822 73.577,-98.872 74.395,-98.872 74.688,-99.165 74.688,-100.509 74.186,-101.011 74.186,-101.688 C204.2@74.052,-101.822 ; C204.2@74.052,-101.772 C204.2@74.052,-101.822 ; C201.2@74.55,-104.185 74.47,-104.185 74.248,-103.962 74.248,-103.096 74.052,-102.9 C204.2@74.052,-101.822 ; U32_A.11@84.267,-74.197 v3(84.267,-72.833) C190_A.1@84.267,-71.847 ; U1_X.11@90.475,-96.5 v3(92,-96.5) C4_X.1@93.075,-96.5 ; U32_B.11@99.017,-74.197 v3(99.017,-72.883) C190_B.1@99.017,-71.847 ; U1_Y.11@112.725,-96.5 v3(114.2,-96.5) C4_Y.1@115.325,-96.5 ; U32_C.11@113.767,-74.197 v3(113.767,-72.867) C190_C.1@113.767,-71.847 ; C212.1@125,-56 125,-54.25 U38.4@125.025,-54.155 ; v1(139.5,-48.25) R36.2@139.5,-47.4
  L1 w0.6: J29.B5@80.22,-39.28 v1@83.58,-39.28 ; v1(83.6,-39.3) v1@83.58,-39.28 ; J31.A5@117.9,-39.28 117.88,-39.3 110.72,-39.3 J31.B5@110.7,-39.28 J30.A5@102.66,-39.28 J30.B5@95.46,-39.28 J29.A5@87.42,-39.28 v1@83.58,-39.28
  L1 w0.75: v2(73.277,-104.618) 73.28,-104.615 74.974,-104.615 C201.2@74.977,-104.612 C201.2@74.55,-104.185
  L4 (PWR) w0.5: v1(139.5,-48.25) 140.707,-48.25 141,-48.543 141,-59.1 v2(139.8,-60.3)
  L4 (PWR) w1: v2(125,-55) 127.516,-55 128.104,-54.412 128.104,-52.025 127.646,-51.567 127.646,-39.454 127.65,-39.45
  L6 w0.5: v1(83.6,-39.3) v4(114.3,-39.3) v4(115.3,-39.3)
  other v1: 82.625,-39.332 84.725,-39.312
  other v2: 152.14,-73.69 154.14,-73.69 156.14,-73.69 158.24,-73.69 160.24,-73.69 158.221,-71.707 160.221,-71.707 152.14,-71.69 154.14,-71.69 156.14,-71.69 158.221,-69.707 160.221,-69.707 158.24,-67.69 160.24,-67.69 158.24,-65.69 160.24,-65.69 158.221,-63.707 160.221,-63.707 152.14,-63.69 154.14,-63.69 156.14,-63.69 136.5,-63.2 138.2,-63.2 139.8,-63.2 136.5,-61.7 138.2,-61.7 139.8,-61.7 152.14,-61.69 154.14,-61.69 156.14,-61.69 158.221,-61.707 160.221,-61.707 136.5,-60.3 138.2,-60.3
  other v4: 113.3,-39.3
-12V: C19.2 C20.2 P1.4 P1.8 U3.3 U3.6 | length 10.4
  L1 w1: U3.3@143.033,-49.38 U3.6@153.483,-49.38
  other v2: 152.691,-57.357 154.691,-57.357 156.691,-57.357 158.691,-57.357 160.691,-57.357 152.691,-55.357 154.691,-55.357 156.691,-55.357 158.691,-55.357 160.691,-55.357 158.672,-53.374 160.672,-53.374 158.672,-51.374 160.672,-51.374 158.691,-49.357 160.691,-49.357 158.691,-47.357 160.691,-47.357 158.672,-45.374 160.672,-45.374 158.672,-43.374 160.672,-43.374 152.691,-43.357 154.691,-43.357 156.691,-43.357 158.672,-41.374 160.672,-41.374 152.691,-41.357 154.691,-41.357 156.691,-41.357